# Altium PCB LimeSDR-USB_1v4.PcbDoc (part 5 of 10)
Units mm, origin at the board's own origin, x right, y up, seen from the top; angles counter-clockwise.
Board outline 100 x 60 mm, 12 copper layers (Top, L2, L3, L4, L5, L6, L7, L8, L9, L10, L11, Bottom), stack 1.58 mm thick; 858 components, 627 nets, 4063 pads, 2099 vias.
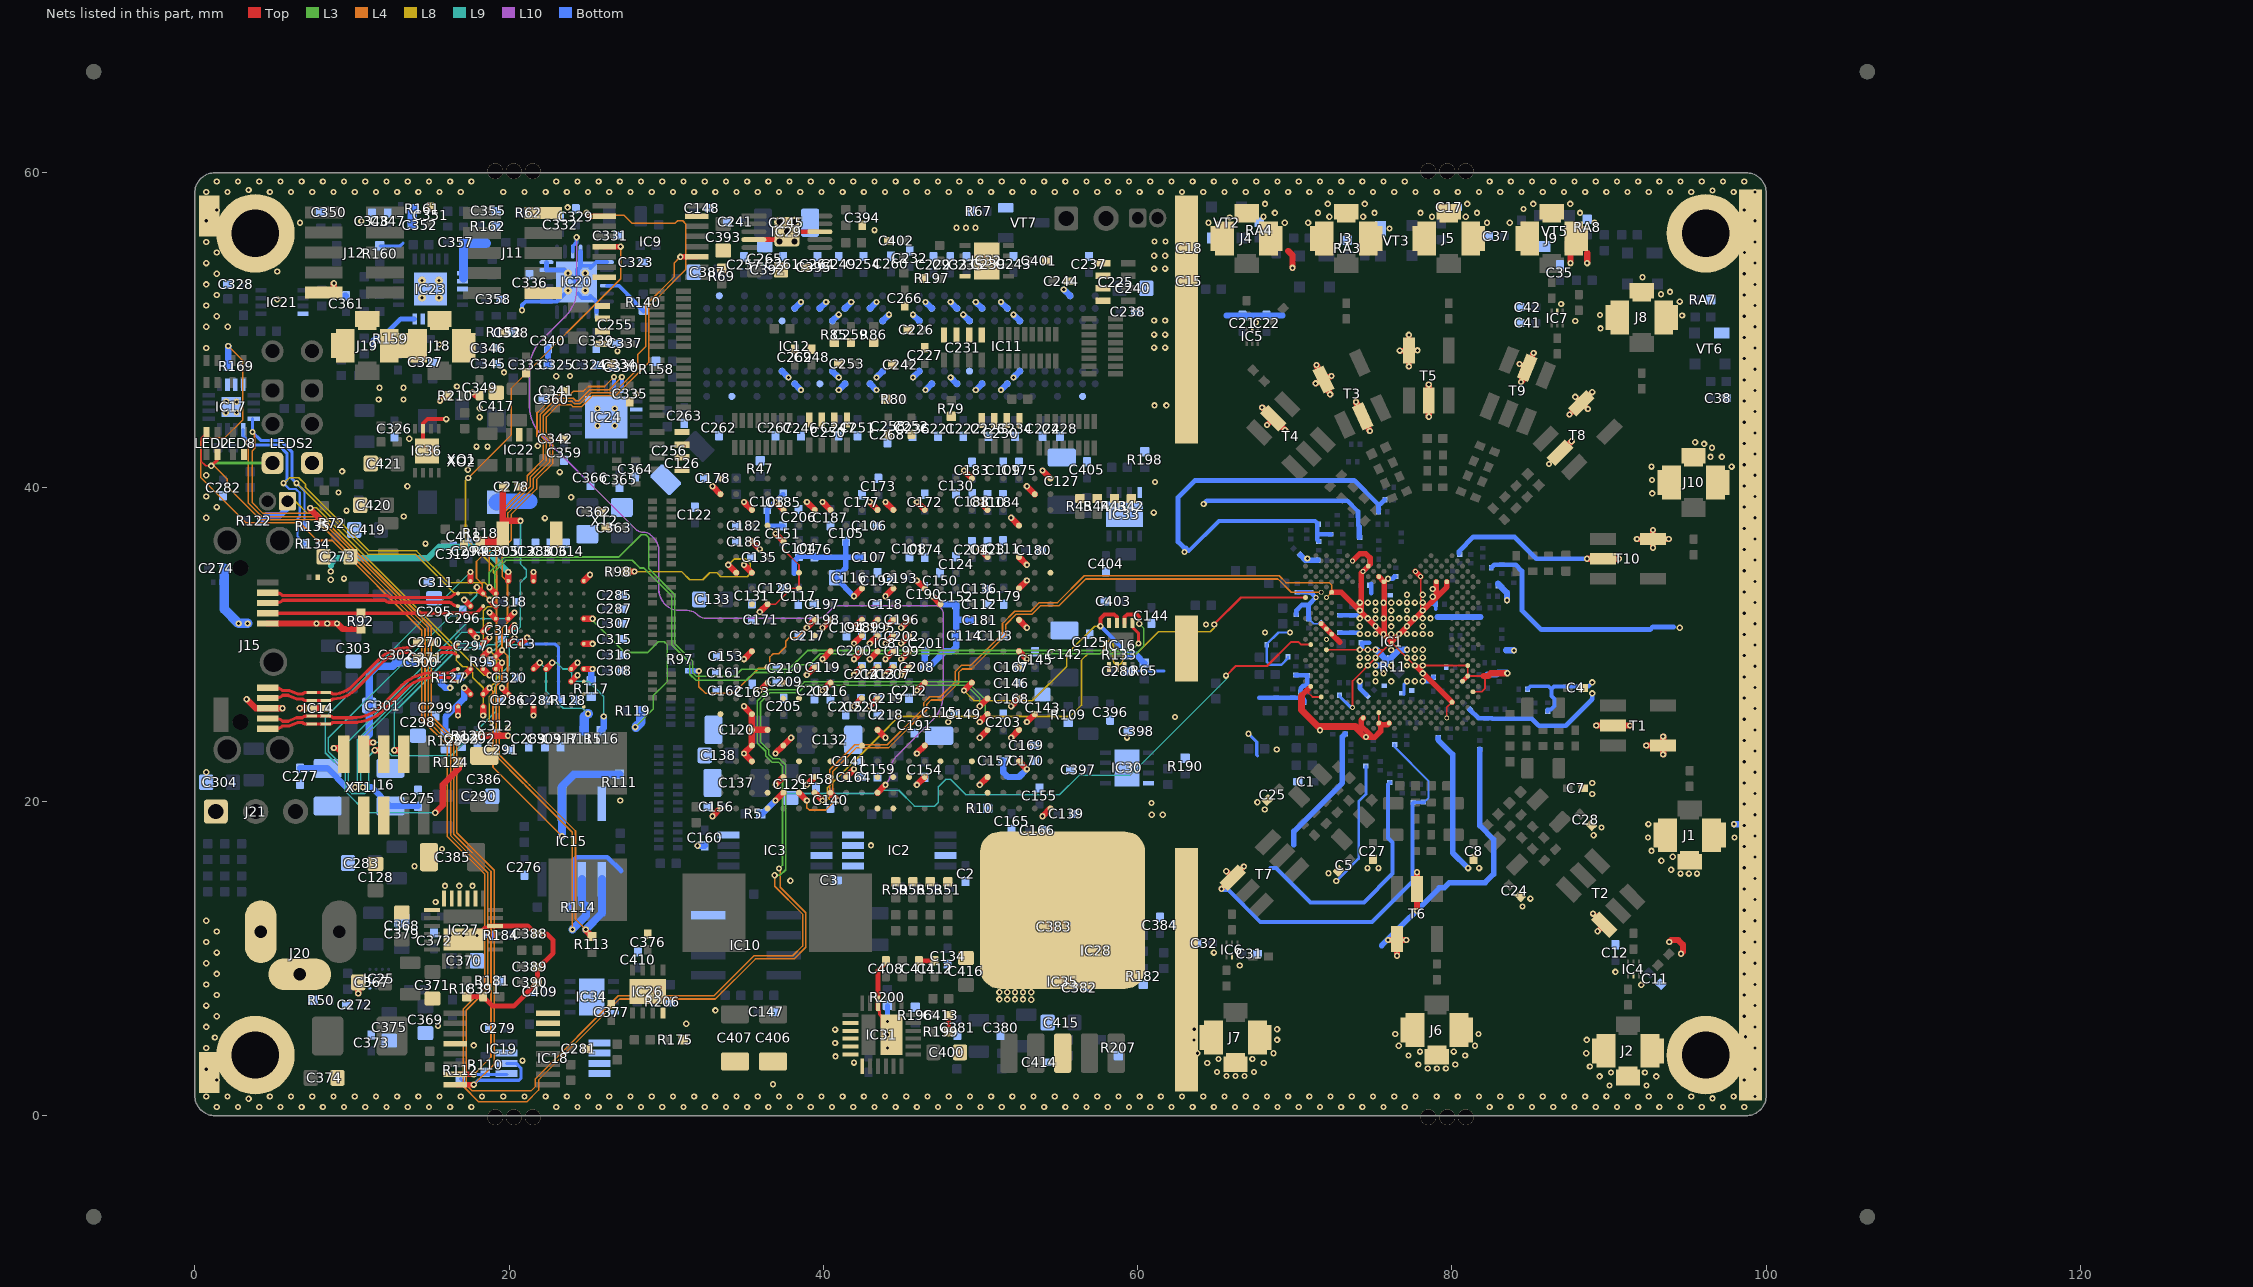
[diagram p15: the nets of this part, all layers, seen from the top]

## Via types
v1: diameter 0.4, hole 0.2, Top to Bottom, tented both sides, 1282 vias
v2: diameter 0.4, hole 0.2, Top to Bottom, tented top, 427 vias
v3: diameter 0.4, hole 0.2, Top to Bottom, 281 vias
v4: diameter 0.31, hole 0.2, Top to Bottom, tented top, 89 vias
v5: diameter 0.5, hole 0.2, Top to Bottom, tented both sides, 20 vias

## Nets (pads, with @x,y where several pads share a name; then routed paths per layer and width w, separated by ;. In a path a pad name is that pad's centre, name@x,y a point inside that pad or via, vN(x,y) a via of type N, cw(c..) or ccw(c..) an arc to the next point about the centre after c; other vN are vias at no path point) (continued)
FX3_DQ31: IC8.N16 R97.7 | length 11.5
  Top w0.4: v2(38.95,31.05) IC8.N16@39.45,31.55
  L4 w0.1: v1(32.075,28.3) 32.075,27.3 32.5,26.875 34.28,26.875 35.88,28.475 36.275,28.475 36.6,28.8 36.6,29.195 36.805,29.4 37.167,29.4 37.6,29.833 37.6,30.195 37.805,30.4 38.3,30.4 v2(38.95,31.05)
  Bottom w0.3: R97.7@31.5,28.3 v1(32.075,28.3)
FX3_FSLC0: IC13.B2 R125.2 | length 3.9
  Top w0.4: v2(17.15,27.225) IC13.B2@17.55,26.825
  Bottom w0.4: R125.2@15.95,24.35 15.95,25.366 16.543,25.959 16.559,25.959 17.15,26.55 v2(17.15,27.225)
FX3_FSLC1: IC13.B4 R127.2 | length 1.1
  Top w0.4: v2(17.15,28.025) IC13.B4@17.55,28.425
  Bottom w0.4: R127.2@16.646,27.875 17,27.875 v2(17.15,28.025)
FX3_FSLC2: IC13.E6 R128.2 | length 7
  Top w0.4: IC13.E6@19.95,30.025 v2(20.35,30.425)
  Bottom w0.2: v2(20.35,30.425) 20.75,30.025 22.916,30.025 23.15,29.791 23.15,26.525 R128.2@23.25,26.425
FX3_GND: C274.2 FR39.1 IC14.3 IC14.8 NT1.1 | length 5.6
  Top w0.4: v1(6.675,25.925) IC14.3@7.787,25.925
  Bottom w0.6: C274.2@1.875,34.85 1.875,33.675 1.875,32.237 v1(2.787,31.325) v1(3.362,31.325)
FX3_I2C_SCL: IC13.D9 IC16.2 IC17.12 IC18.6 IC19.8 IC24.4 R112.1 R135.2 | length 156.3
  Top w0.25: IC16.2@59.175,31.35 59.175,31.725 59.338,31.888 59.962,31.888 60.1,31.75 v1(60.1,31.3)
  Top w0.35: IC19.8@16.7,1.975 v1(17.75,1.975)
  Top w0.4: v2(18.75,32.825) IC13.D9@19.15,32.425
  L3 w0.1: v2(18.75,32.825) 19.1,33.175 19.1,34.65 19.8,35.35 27.83,35.35 28.33,34.85 28.567,34.85 30.35,33.067 30.35,29.967 31.5,28.817 31.5,28.097 31.897,27.7 35.1,27.7 35.6,28.2 37.888,28.2 38.388,28.7 39.095,28.7 39.795,29.4 59.9,29.4 60.4,29.9 60.4,31 v1(60.1,31.3)
  L4 w0.1: v1(3.675,43.5) 3.8,43.375 3.8,42.45 3.65,42.3 3.65,39.016 4.341,38.325 7.867,38.325 15.05,31.142 15.05,25.449 16.675,23.824 16.675,17.999 19.05,15.624 19.05,3.275 v1(17.75,1.975) ; v2(18.75,32.825) 18.3,33.275 18.3,33.825 17.925,34.2 17.925,35.269 19.525,36.869 19.525,38.516 20.459,39.45 20.476,39.45 21.15,40.124 21.15,40.725 22.175,41.75 22.175,42.8 21.775,43.2 21.775,44.745 21.812,44.745 22.917,45.85 23.85,45.85 24.1,46.1 24.725,46.1 25.025,46.4 26.075,46.4 v1(26.675,47)
  L8 w0.1: v1(6.475,40.25) 6.503,40.25 11.017,35.736 14.032,35.736 16.492,33.275 18.3,33.275 v2(18.75,32.825)
  Bottom w0.14: v1(6.475,40.25) 6.98,39.745 6.98,37.52 R135.2@7,37.5
  Bottom w0.2: IC17.12@3.675,44.35 v1(3.675,43.5) 4.2,42.975 4.8,42.975 5.447,42.975 6.175,42.247 6.175,40.55 v1(6.475,40.25) ; R112.1@16.9,2.375 17.3,1.975 v1(17.75,1.975) 18.025,2.25 20.633,2.25 20.75,2.367 20.75,3.034 20.459,3.325 IC18.6@19.85,3.325
  Bottom w0.25: IC24.4@26.675,46.375 v1(26.675,47)
FX3_I2C_SDA: IC13.D10 IC16.1 IC17.13 IC18.5 IC19.7 IC24.5 R110.1 R134.2 | length 151.8
  Top w0.2: IC16.1@59.675,31.35 59.675,31.083 60.05,30.708 v1(60.05,30.05)
  Top w0.35: IC19.7@16.7,2.625 v1(17.75,2.625)
  Top w0.4: v2(18.75,33.625) IC13.D10@19.15,33.225
  L3 w0.1: v2(18.75,33.625) 18.75,34.583 19.717,35.55 26.98,35.55 28.405,36.975 28.695,36.975 28.9,36.77 28.9,34.8 30.55,33.15 30.55,30.05 31.7,28.9 31.7,28.18 31.93,27.95 34.355,27.95 34.805,28.4 37.805,28.4 39.005,29.6 59.6,29.6 v1(60.05,30.05)
  L4 w0.1: v1(3.4,42.825) 3.4,38.983 4.258,38.125 7.784,38.125 14.85,31.059 14.85,25.366 16.475,23.741 16.475,17.916 18.85,15.541 18.85,3.725 v1(17.75,2.625) ; v2(18.75,33.625) 18.75,35.811 19.725,36.786 19.725,38.433 20.542,39.25 20.559,39.25 21.35,40.041 21.35,40.642 22.375,41.667 22.375,42.883 21.975,43.283 21.975,44.625 23,45.65 24.091,45.65 24.241,45.5 24.434,45.5 25.134,46.2 26.375,46.2 v1(27.175,47)
  L8 w0.1: v1@5.663,40.237 6.025,40.6 6.62,40.6 7.045,40.175 7.045,39.991 11.1,35.936 14.114,35.936 16.125,33.925 18.45,33.925 v2(18.75,33.625)
  Bottom w0.14: v1(5.65,40.25) 6.03,39.87 6.44,39.87 6.675,39.635 6.675,38.115 6.53,37.97 6.53,36.87 R134.2@7,36.4
  Bottom w0.2: IC17.13@3.075,43.675 3.075,43.225 3.625,42.675 5.323,42.675 5.875,42.123 5.875,40.475 v1(5.65,40.25) ; v1(17.75,2.625) IC18.5@19.85,2.625
  Bottom w0.25: IC24.5@27.175,46.375 v1(27.175,47)
FX3_INT: IC13.L8 R119.2 | length 13.9
  Top w0.4: IC13.L8@24.75,31.625 v2(25.316,31.625)
  L3 w0.1: v2(25.316,31.625) 25.316,31.519 27.36,29.475 28.825,29.475 29.5,30.15 29.87,30.15 30.075,29.945 30.075,27.63 29.175,26.73 29.175,25.875 v1(28.025,24.725)
  Bottom w0.6: v1@28.075,24.725 28.375,25.025 R119.2@28.375,25.775
FX3_JTAG_TCK: IC13.F6 J16.4 | length 16
  Top w0.4: J16.4@11.025,23.75 v1(11.35,23.75) ; IC13.F6@20.75,30.025 v2(21.15,30.425)
  L9 w0.1: v1(11.35,23.75) 11.7,23.75 12.475,22.975 12.48,22.975 12.555,22.9 16.325,22.9 19.15,25.725 19.15,27.775 20,28.625 20,29.77 20.205,29.975 20.7,29.975 v2(21.15,30.425)
FX3_JTAG_TDI: IC13.E7 J16.8 | length 13.6
  Top w0.4: v1(12.7,23.25) 13.05,23.25 J16.8@13.3,23 ; IC13.E7@19.95,30.825 v2(20.35,31.225)
  L9 w0.1: v1(12.7,23.25) 12.7,25.675 16.795,29.77 18.4,29.77 18.605,29.975 19.1,29.975 v2(20.35,31.225)
FX3_JTAG_TDO: IC13.C10 J16.6 | length 22.9
  Top w0.4: v1(11.45,23.25) 11.775,23.25 J16.6@12.025,23 ; v2(17.95,33.625) IC13.C10@18.35,33.225
  L9 w0.1: v1(11.45,23.25) 11.075,22.875 11.075,20.75 10.825,20.5 10,20.5 9.763,20.737 9.763,21.913 8.5,23.175 8.5,24.025 16.3,31.825 16.65,31.825 17.95,33.125 v2(17.95,33.625)
FX3_JTAG_TMS: IC13.E8 J16.2 | length 16.4
  Top w0.4: v1(8.85,23.4) 9.075,23.4 J16.2@9.475,23 ; IC13.E8@19.95,31.625 v2(20.35,32.025)
  L9 w0.1: v1(8.85,23.4) 9.347,23.4 17.572,31.625 19.95,31.625 v2(20.35,32.025)
FX3_JTAG_TRST: IC13.B11 R124.1 | length 29
  Top w0.4: v1(15.3,19.275) 15.775,19.75 15.775,21.05 16.8,22.075 R124.1@16.8,22.5 ; IC13.B11@17.55,34.025 v2(17.55,34.591)
  L9 w0.1: v1(15.3,19.275) 10.942,19.275 9.563,20.655 9.563,21.83 8.3,23.092 8.3,25.341 v2(17.55,34.591)
FX3_LED_G: IC8.G5 R169.1 | length 123
  Top w0.4: v2(49.95,25.05) IC8.G5@50.45,25.55
  L3 w0.1: v1(37.175,15.725) 37.4,15.95 37.4,22.242 37.142,22.5 36.722,22.5 36.328,22.895 36.328,23.188 35.8,23.715 35.8,26.385 36.517,27.102 38.294,27.102 38.792,27.6 49.178,27.6 50.3,26.478 50.3,25.4 v2(49.95,25.05)
  L4 w0.1: v1(2.125,48.975) 3.063,48.037 3.063,44.288 1.925,43.15 0.63,43.15 0.375,42.895 0.375,40.605 3.255,37.725 6.675,37.725 7.8,36.6 8.744,36.6 14.45,30.894 14.45,25.2 16.075,23.575 16.075,17.75 18.45,15.375 18.45,8.158 17.075,6.783 17.075,1.872 18.072,0.875 21.12,0.875 21.875,1.63 21.875,2.267 27.033,7.425 33.124,7.425 35.674,9.975 38.141,9.975 38.875,10.709 38.875,12.908 37.25,14.533 37.25,15.65 v1(37.175,15.725)
  Bottom w0.4: R169.1@2.125,47.7 v1(2.125,48.975)
FX3_LED_R: IC8.H5 LED2.2 LED2.3 LEDS2.K1 | length 117
  Top w0.1: LED2.2@0.75,43.475 0.4,43.125 0.4,41.65 0.7,41.35 v1(1.05,41.35)
  Top w0.15: LEDS2.K1@4.475,42 LEDS2.K1@4.95,41.525
  Top w0.2: v1(1.05,41.35) 1.45,41.75 LED2.3@1.45,42.075
  Top w0.4: v2(49.95,26.05) IC8.H5@50.45,26.55
  L3 w0.1: v1(36.9,15.3) 37.245,15.3 37.6,15.655 37.6,22.325 37.225,22.7 36.805,22.7 36.528,22.978 36.528,23.27 36,23.798 36,26.302 36.6,26.902 38.377,26.902 38.875,27.4 49.095,27.4 49.95,26.545 v2(49.95,26.05)
  L3 w0.2: v1(1.05,41.35) 1.225,41.525 LEDS2.K1@4.95,41.525
  L4 w0.1: v1(1.05,41.35) 1.22,41.35 2.075,40.495 2.075,40.025 4.175,37.925 7.701,37.925 14.65,30.976 14.65,25.283 16.275,23.658 16.275,17.833 18.65,15.458 18.65,8.075 17.275,6.7 17.275,1.955 17.655,1.575 21.395,1.575 21.675,1.855 21.675,2.35 26.95,7.625 33.041,7.625 35.591,10.175 38.058,10.175 38.675,10.792 38.675,12.825 36.9,14.6 v1(36.9,15.3)
FX3_OTG_ID: IC13.C9 J15.4 R92.2 | length 14.3
  Top w0.2: J15.4@4.212,31.975 17.9,31.975 IC13.C9@18.35,32.425
FX3_PCLK: IC8.T21 R98.1 | length 11.5
  Top w0.4: R98.1@27.45,34.625 v1(27.975,34.625) ; v1(33.95,35.05) IC8.T21@34.45,34.55
  L8 w0.1: v1(27.975,34.625) 30.975,34.625 31.5,34.1 32.325,34.1 32.775,34.55 33.225,34.55 33.475,34.3 35.15,34.3 35.35,34.5 35.35,35.145 35.07,35.425 34.325,35.425 v1(33.95,35.05)
FX3_PMODE0: IC13.G4 R115.2 | length 7
  Top w0.4: IC13.G4@21.55,28.425 v2(21.95,28.825)
  L9 w0.1: v2(21.95,28.825) 22.35,28.425 22.35,27.025 23.45,25.925 24.675,25.925 v1(25.025,25.575)
  Bottom w0.6: R115.2@24.775,24.5 24.775,25.375 24.975,25.575 v1(25.025,25.575)
FX3_PMODE1: IC13.H4 R116.2 | length 7.1
  Top w0.4: IC13.H4@22.35,28.425 v2(22.75,28.825)
  L9 w0.1: v2(22.75,28.825) 23.025,28.825 23.425,28.425 23.725,28.425 24,28.15 24,27.88 24.23,27.65 25.05,27.65 26.025,26.675 v2(26.025,25.4)
  Bottom w0.4: R116.2@25.85,24.5 26.025,24.675 v2(26.025,25.4)
FX3_PMODE2: IC13.L4 R117.2 | length 1.4
  Top w0.4: IC13.L4@24.75,28.425 v2(25.316,28.425)
  Bottom w0.4: R117.2@25.225,27.675 25.225,28.334 v2(25.316,28.425)
FX3_RST: C278.1 IC13.C5 R118.1 R120.2 SW1.2 | length 24.1
  Top w0.4: R120.2@17.925,24.175 v1(19.925,24.175) ; IC13.C5@18.35,29.225 v2(18.75,29.625) ; SW1.2@19.6,36.975 SW1.2@19.6,37.675 ; C278.1@19.675,40.05 19.6,39.975 SW1.2@19.6,37.675 ; v1(20.725,37.85) 19.775,37.85 SW1.2@19.6,37.675
  Top w0.6: R118.1@18.175,36.55 19.175,36.55
  L8 w0.1: v2(18.75,29.625) 19.2,29.175 19.2,28.625 19.375,28.45 19.375,27.55 19.1,27.275 19.1,27 18.75,26.65 18.75,25.058 19.633,24.175 v1(19.925,24.175)
  L9 w0.1: v2(18.75,29.625) 19.033,29.625 20.283,30.875 20.495,30.875 20.7,31.08 20.7,33.9 21.1,34.3 21.1,34.736 20.725,35.111 v1(20.725,37.85)
FX3_SPI_AS_SS: IC13.C4 R72.1 | length 17.7
  Top w0.4: v1(7.35,38.675) 7.35,38.6 R72.1@8.25,37.7 ; IC13.C4@18.35,28.425 v2(18.75,28.025)
  L8 w0.1: v1(7.35,38.675) 7.758,38.675 18.408,28.025 v2(18.75,28.025)
FX3_SPI_FLASH_SS: IC13.C1 J17.1 R122.1 | length 22.6
  Top w0.4: v2(18.35,25.459) IC13.C1@18.35,26.025
  L8 w0.1: J17.1@5.9,39.1 6.4,39.1 7.175,38.325 7.825,38.325 16.625,29.525 16.625,28.996 17.046,28.575 17.3,28.575 17.7,28.175 17.7,27.875 18.35,27.225 v2(18.35,25.459)
  Bottom w0.4: R122.1@4.25,37.85 4.6,38.2 5.425,38.2 5.9,38.675 J17.1@5.9,39.1
FX3_SPI_MISO: IC9.5 IC13.C2 IC15.2 R111.1 | length 54.2
  Top w0.35: IC9.5@26.05,55.3 v1(27.1,55.3)
  Top w0.4: IC13.C2@18.35,26.825 v2(18.75,27.225)
  L4 w0.1: v1(17.4,40.575) 20.15,43.325 20.15,46.3 27.1,53.25 v1(27.1,55.3) ; v2(18.75,27.225) 18.975,27 18.975,22.175 v1(23.365,17.785)
  L8 w0.1: v1(17.4,40.575) 17.225,40.4 17.225,36.73 19,34.955 19,34.567 19.2,34.367 19.2,32.658 18.917,32.375 18.605,32.375 18.35,32.12 18.35,29.525 19,28.875 19,28.45 19.175,28.275 19.175,27.65 v2(18.75,27.225)
  Bottom w0.5: v1(23.365,17.785) IC15.2@23.365,19.85 23.365,20.965 24.125,21.725 R111.1@27.025,21.725
FX3_SPI_MOSI: IC9.2 IC13.D5 IC15.5 R113.1 | length 67.6
  Top w0.35: v1(24.925,57.45) 25.125,57.25 IC9.2@26.05,57.25
  Top w0.4: IC13.D5@19.15,29.225 v2(19.55,29.625) ; v1(24.874,11.851) 24.874,11.801 R113.1@25.275,11.4
  L4 w0.1: 20.992,21.35 19.375,22.967 19.375,26.555 19.9,27.08 19.9,29.275 v2(19.55,29.625) 19.55,31.025 19.9,31.375 19.9,33.975 19.575,34.3 19.575,36.07 20.125,36.62 20.125,38.25 21.75,39.875 21.75,40.476 22.775,41.501 22.775,43.049 22.375,43.449 22.375,44.459 23.166,45.25 23.925,45.25 24.075,45.1 24.6,45.1 25.3,45.8 26.753,45.8 28.9,47.947 28.9,51.492 31.25,53.842 31.25,56.745 31.045,56.95 30.725,56.95 30.575,56.8 27.808,56.8 27.308,57.3 25.075,57.3 v1(24.925,57.45) ; 20.992,21.35 21.3,21.042 21.367,20.975 21.675,20.667 21.717,20.625 ; 21.717,20.625 24.225,18.117 24.225,12.5 v1(24.874,11.851)
  Bottom w0.5: v1(24.874,11.851) 25.905,12.881 IC15.5@25.905,15.05
FX3_SPI_SCLK: IC9.11 IC13.D4 IC15.6 R114.2 | length 57.5
  Top w0.35: v1(30.9,54.65) IC9.11@31.95,54.65
  Top w0.4: IC13.D4@19.15,28.425 v2(19.55,28.825)
  L4 w0.1: 21.284,20.775 21.1,20.959 20.91,21.15 19.175,22.884 19.175,27.35 19.55,27.725 v2(19.55,28.825) 19.2,29.175 19.2,35.978 19.925,36.703 19.925,38.35 20.625,39.05 20.642,39.05 21.55,39.958 21.55,40.559 22.575,41.584 22.575,42.966 22.175,43.366 22.175,44.542 23.083,45.45 24.008,45.45 24.158,45.3 24.517,45.3 25.217,46 26.67,46 28.2,47.53 28.2,48.45 28.7,48.95 28.7,51.575 30.5,53.375 30.5,54.25 v1(30.9,54.65) ; 21.285,20.775 21.475,20.585 ; 21.475,20.584 21.634,20.425 24.025,18.035 v1(24.025,11.85)
  Bottom w0.5: v1(24.025,11.85) 24.9,12.725 R114.2@24.9,13.275 24.635,13.54 IC15.6@24.635,15.05
FX3_USB_D_N: IC13.A10 J15.2 | length 12.3
  Top w0.2: J15.2@4.637,33.275 5.165,33.275 cw(c5.165,32.678) 5.587,33.1 12.169,33.1 cw(c12.169,32.844) 12.35,33.025 ccw(c12.471,33.146) 12.471,32.975 16.146,32.975 ccw(c16.146,33.285) 16.366,33.066 cw(c16.75,32.682) IC13.A10@16.75,33.225
FX3_USB_D_P: IC13.A9 J15.3 | length 12.3
  Top w0.2: J15.3@4.637,32.625 5.165,32.625 ccw(c5.165,33.222) 5.587,32.8 12.021,32.8 cw(c12.021,32.571) 12.183,32.733 ccw(c12.323,32.873) 12.323,32.675 16.146,32.675 cw(c16.146,32.365) 16.366,32.584 ccw(c16.75,32.968) IC13.A9@16.75,32.425
FX3_USB_SSRX_N: IC13.A4 IC14.4 IC14.7 J15.9 | length 13.3
  Top w0.2: J15.9@4.637,25.275 5.165,25.275 cw(c5.165,24.678) 5.587,25.1 5.95,25.1 6.475,25.325 6.837,25.325 cw(c7.079,25.084) 7.079,25.425 IC14.4@7.45,25.425 IC14.7@8.324,25.425 8.545,25.425 cw(c8.545,25.084) 8.786,25.325 10.073,25.325 ccw(c10.073,27.865) 11.869,26.069 13.143,27.343 cw(c15.151,25.335) 15.151,28.175 16.146,28.175 ccw(c16.146,28.485) 16.366,28.266 cw(c16.75,27.882) IC13.A4@16.75,28.425
FX3_USB_SSRX_P: IC13.A3 IC14.5 IC14.6 J15.10 | length 13.3
  Top w0.2: J15.10@4.637,24.625 5.165,24.625 ccw(c5.165,25.222) 5.587,24.8 6.012,24.8 6.537,25.025 6.837,25.025 ccw(c7.079,25.266) 7.079,24.925 IC14.6@8.324,24.925 8.545,24.925 ccw(c8.545,25.266) 8.786,25.025 10.073,25.025 ccw(c10.073,27.865) 12.081,25.857 13.355,27.131 cw(c15.151,25.335) 15.151,27.875 16.146,27.875 cw(c16.146,27.565) 16.366,27.784 ccw(c16.75,28.168) IC13.A3@16.75,27.625
FX3_USB_SSTX_IC_N: C270.2 IC13.A6 | length 1.8
  Top w0.2: C270.2@15.175,30.125 C270.2@15.331,29.969 ; C270.2@15.331,29.969 ccw(c15.8,30.439) 15.8,29.775 16.288,29.775 ccw(c16.288,30.287) 16.65,29.925 IC13.A6@16.75,30.025
FX3_USB_SSTX_IC_P: C271.1 IC13.A5 | length 1.8
  Top w0.2: C271.1@15.175,29.125 15.331,29.281 cw(c15.8,28.811) 15.8,29.475 16.288,29.475 cw(c16.288,28.963) 16.65,29.325 IC13.A5@16.75,29.225
FX3_USB_SSTX_N: C270.1 IC14.1 IC14.10 J15.6 | length 10.8
  Top w0.2: J15.6@4.637,27.225 5.165,27.225 cw(c5.165,26.628) 5.587,27.05 6.012,27.05 6.537,26.825 6.837,26.825 cw(c7.079,26.584) 7.079,26.925 IC14.1@7.45,26.925 IC14.10@8.324,26.925 8.545,26.925 cw(c8.545,26.584) 8.786,26.825 ccw(c8.786,28.549) 10.006,27.33 11.729,29.053 cw(c13.471,27.311) 13.471,29.775 ccw(c13.471,30.629) 14.075,30.025 C270.1@14.175,30.125
FX3_USB_SSTX_P: C271.2 IC14.2 IC14.9 J15.7 | length 10.8
  Top w0.2: J15.7@4.637,26.575 5.165,26.575 ccw(c5.165,27.172) 5.587,26.75 5.95,26.75 6.475,26.525 6.837,26.525 ccw(c7.079,26.766) 7.079,26.425 IC14.2@7.45,26.425 IC14.9@8.324,26.425 8.545,26.425 ccw(c8.545,26.766) 8.786,26.525 8.849,26.525 ccw(c8.849,28.398) 10.174,27.074 11.941,28.841 cw(c13.471,27.311) 13.471,29.475 cw(c13.471,28.621) 14.075,29.225 C271.2@14.175,29.125
FX3_VBUS: C273.2 FR38.2 IC13.E11 | length 13.1
  Top w0.4: IC13.E11@19.95,34.025 v2(19.95,34.591)
  L9 w0.4: 8.669,34.987 8.669,35.169 8.975,35.475 14.825,35.475 15.55,36.2 18.341,36.2 v2(19.95,34.591)
  other v1: 8.65,34.1 8.65,34.625
FX3_XTAL_N: C277.2 IC13.C7 XT1.3 | length 19.2
  Top w0.4: IC13.C7@18.35,30.825 v2(18.75,31.225)
  L9 w0.1: v1(10.2,20.9) 10.35,21.05 10.35,23.926 16.615,30.191 16.615,30.385 17.005,30.775 18.3,30.775 v2(18.75,31.225)
  Bottom w0.4: C277.2@6.7,22.1 XT1.3@8.45,22.1 9.65,20.9 v1(10.2,20.9)
FX3_XTAL_P: C275.2 IC13.C6 XT1.1 | length 18.5
  Top w0.4: IC13.C6@18.35,30.025 v2(18.75,30.425)
  L9 w0.1: v1(10.7,20.9) 10.55,21.05 10.55,23.844 16.756,30.05 18.375,30.05 v2(18.75,30.425)
  Bottom w0.4: v1(10.7,20.9) 11.25,20.9 XT1.1@12.45,19.7 C275.2@14.2,19.7
GND: C1.2 C2.2 C3.1 C4.1 C5.1 C7.1 C8.1 C11.1 C12.1 C15.2 C17.2 C18.2 C21.1 C22.1 C24.1 C25.1 C27.1 C28.1 C31.1 C32.1 C35.2 C37.2 C38.2 C41.1 C42.1 C44.2 C45.2 C46.2 C47.2 C48.2 C49.2 C50.2 C51.2 C52.2 C53.2 C54.2 C55.2 C56.2 C57.2 C58.2 C59.2 C60.2 C61.2 C62.2 C63.2 C64.2 C65.2 C66.2 C67.2 C68.2 C69.2 C70.2 C71.2 C72.2 C73.2 C74.2 C75.2 C76.2 C77.2 C78.2 C79.2 C80.1 C81.2 C82.2 C83.2 C84.2 C85.2 C86.2 C87.2 C88.2 C89.2 C90.2 C91.2 C92.2 C93.2 C94.2 C95.2 C96.2 C97.2 C98.2 C99.2 C100.2 C101.2 C102.2 C103.2 C104.2 C105.2 C106.2 C107.2 C108.2 C109.2 C110.2 C111.2 C112.2 C113.2 C114.2 C115.1 C116.1 C117.1 C118.2 C119.2 C120.1 C121.1 C122.1 C123.2 C124.2 C125.2 C126.1 C127.1 C128.1 C129.1 C130.1 C131.2 C132.1 C133.1 C134.1 C135.1 C136.2 C137.1 C138.1 C139.1 C140.1 C141.2 C142.1 C143.1 C144.1 C145.1 C146.2 C147.2 C148.2 C149.2 C150.2 C151.2 C152.2 C153.2 C154.2 C155.2 C156.2 C157.2 C158.2 C159.2 C160.2 C161.2 C162.2 C163.2 C164.2 C165.2 C166.2 C167.2 C168.2 C169.2 C170.2 C171.2 C172.2 C173.2 C174.2 C175.2 C176.2 C177.2 C178.2 C179.2 C180.2 C181.2 C182.2 C183.2 C184.2 C185.2 C186.2 C187.2 C188.2 C189.2 C190.2 C191.2 C192.2 C193.2 C194.2 C195.2 C196.2 C197.2 C198.2 C199.2 C200.2 C201.2 C202.2 C203.2 C204.2 C205.2 C206.2 C207.2 C208.2 C209.2 C210.2 C211.2 C212.2 C213.2 C214.2 C215.2 C216.2 C217.2 C218.2 C219.2 C220.2 C221.2 C222.2 C223.2 C224.2 C225.5 C225.6 C225.7 C225.8 C226.2 C227.2 C228.2 C229.2 C230.5 C230.6 C230.7 C230.8 C231.5 C231.6 C231.7 C231.8 C232.2 C233.2 C234.2 C235.2 C236.2 C237.2 C238.2 C239.2 C240.1 C241.1 C242.1 C243.2 C244.2 C245.1 C246.2 C247.2 C248.2 C249.2 C250.5 C250.6 C250.7 C250.8 C251.2 C252.2 C253.2 C254.2 C255.5 C255.6 C255.7 C255.8 C256.5 C256.6 C256.7 C256.8 C257.2 C258.2 C259.2 C260.2 C261.2 C262.2 C263.2 C264.2 C265.1 C266.1 C267.1 C268.2 C269.2 C272.2 C273.1 C275.1 C276.2 C277.1 C278.2 C279.2 C280.2 C281.2 C282.2 C283.1 C284.2 C285.2 C286.1 C287.1 C288.2 C289.1 C290.1 C291.2 C292.1 C293.2 C294.1 C295.1 C296.2 C297.1 C298.1 C299.2 C300.2 C301.1 C302.2 C303.1 C304.1 C305.2 C306.2 C307.2 C308.2 C309.2 C310.2 C311.2 C312.2 C313.1 C314.1 C315.1 C316.1 C317.1 C318.1 C319.1 C320.1 C323.1 C324.1 C325.1 C326.1 C327.1 C328.1 C329.1 C330.1 C331.1 C332.1 C333.1 C334.1 C335.1 C336.1 C337.1 C338.1 C339.1 C340.1 C341.1 C342.2 C345.1 C346.1 C347.2 C348.2 C349.2 C350.2 C351.1 C352.2 C355.1 C357.1 C358.2 C359.2 C360.2 C361.1 C362.1 C363.1 C364.2 C365.2 C366.2 C367.1 C368.1 C369.1 C370.1 C371.1 C372.2 C373.2 C374.1 C375.1 C376.1 C377.1 C379.1 C380.1 C381.2 C382.1 C383.1 C384.1 C385.1 C386.1 C387.1 C388.2 C389.2 C390.2 C391.2 C392.1 C393.1 C394.1 C395.2 C396.1 C397.1 C398.1 C400.1 C401.1 C402.1 C403.1 C404.1 C405.1 C406.1 C407.1 C408.2 C409.1 C410.1 C411.2 C412.2 C413.2 C414.1 C415.1 C416.1 C417.1 C418.1 C419.1 C420.1 C421.1 IC1.AA31 IC1.AF32 IC1.AG29 IC1.AJ7 IC1.AJ9 IC1.AJ19 IC1.AK12 IC1.AK20 IC1.AL13 IC1.AL23 IC1.AM22 IC1.AN25 IC1.B18 IC1.B20 IC1.C7 IC1.C23 IC1.D20 IC1.E25 IC1.F6 IC1.G31 IC1.GND IC1.H2 IC1.J33 IC1.K4 IC1.L3 IC1.N3 IC1.T30 IC1.V30 IC1.W29 IC1.Y30 IC2.1 IC2.2 IC2.3 IC2.4 IC2.7 IC3.4 IC3.7 IC4.2 IC5.2 IC6.2 IC7.2 IC8.A1 IC8.A11 IC8.A12 IC8.A19 IC8.A22 IC8.AA2 IC8.AA22 IC8.AB1 IC8.AB6 IC8.AB22 IC8.B5 IC8.B19 IC8.C5 IC8.C9 IC8.C10 IC8.C11 IC8.C12 IC8.C14 IC8.C15 IC8.C16 IC8.C18 IC8.D3 IC8.D6 IC8.D8 IC8.D15 IC8.D17 IC8.D20 IC8.E9 IC8.E13 IC8.E18 IC8.E20 IC8.F3 IC8.F5 IC8.F12 IC8.F19 IC8.F20 IC8.G2 IC8.G20 IC8.G22 IC8.H3 IC8.H12 IC8.H13 IC8.H17 IC8.H18 IC8.J9 IC8.J15 IC8.J18 IC8.J19 IC8.K3 IC8.K10 IC8.K11 IC8.K12 IC8.K13 IC8.K16 IC8.K19 IC8.L3 IC8.L10 IC8.L11 IC8.L12 IC8.L13 IC8.L15 IC8.L20 IC8.M10 IC8.M11 IC8.M12 IC8.M13 IC8.M16 IC8.N3 IC8.N10 IC8.N11 IC8.N12 IC8.N13 IC8.N15 IC8.P8 IC8.P19 IC8.P20 IC8.R3 IC8.R9 IC8.R11 IC8.R13 IC8.R17 IC8.T1 IC8.T17 IC8.T20 IC8.U3 IC8.U5 IC8.V18 IC8.V20 IC8.W3 IC8.W19 IC8.Y5 IC8.Y9 IC8.Y11 IC8.Y12 IC8.Y15 IC8.Y16 IC8.Y18 IC8.Y20 IC9.8 IC9.15 IC10.4 IC11.A3 IC11.A7 IC11.B2 IC11.B8 IC11.D2 IC11.D8 IC11.E3 IC11.E7 IC11.F2 IC11.F8 IC11.H2 IC11.H8 IC11.J3 IC11.J7 IC11.N1 IC11.P9 IC12.A3 IC12.A7 IC12.B2 IC12.B8 IC12.D2 IC12.D8 IC12.E3 IC12.E7 IC12.F2 IC12.F8 IC12.H2 IC12.H8 IC12.J3 IC12.J7 IC12.N1 IC12.P9 IC13.A1 IC13.A8 IC13.B7 IC13.B8 IC13.B9 IC13.D8 IC13.E2 IC13.G1 IC13.G11 IC13.K3 IC13.K4 IC13.L1 IC13.L2 IC13.L3 IC13.L6 IC13.L11 IC15.4 IC16.4 IC16.5 IC16.6 IC16.7 IC17.6 IC17.7 IC17.8 IC17.17 IC18.1 IC18.2 IC18.3 IC18.4 IC18.7 IC19.4 IC19.14 IC19.15 IC19.16 IC20.1 IC20.7 IC20.11 IC20.12 IC20.16 IC20.19 IC20.22 IC20.25 IC21.4 IC22.5 IC23.1 IC23.2 IC23.3 IC23.9 IC23.10 IC23.21 IC24.7 IC24.21 IC25.C2 IC25.D1 IC25.D2 IC25.D3 IC26.4 IC26.9 IC27.4 IC27.8 IC27.9 IC27.10 IC27.11 IC27.12 IC27.13 IC27.25 IC28.4 IC28.9 IC29.4 IC29.8 IC29.11 IC30.4 IC30.9 IC31.4 IC31.8 IC31.9 IC31.10 IC31.11 IC31.12 IC31.13 IC31.25 IC32.4 IC32.9 IC33.4 IC33.9 IC34.4 IC34.9 IC35.3 IC36.7 IC36.9 J1.2 J2.2 J3.2 J4.2 J5.2 J6.2 J7.2 J8.2 J9.2 J10.2 J11.2 J11.10 J12.9 J15.5 J15.8 J16.3 J16.5 J18.2 J19.2 J20.2 J20.3 J21.1 LED8.3 LEDS2.K2 MECH1.MH1 MECH2.MH1 MECH3.MH1 MECH4.MH1 NT1.2 pad.2 pad.3 pad.4 pad.5 pad.16 R10.1 R11.2 R42.2 R43.2 R44.2 R45.2 R47.1 R50.1 R51.2 R53.2 R56.2 R59.2 R62.2 R67.2 R69.2 R79.1 R80.1 R85.1 R86.1 R92.1 R93.1 R95.1 R109.1 R114.1 R117.1 R125.1 R127.1 R128.1 R140.1 R152.1 R158.2 R159.1 R160.2 R161.2 R162.1 R175.2 R181.2 R182.2 R183.2 R184.1 R190.1 R196.2 R197.2 R198.1 R199.2 R200.2 R206.2 R207.2 R210.1 RA3.1 RA4.1 RA7.1 RA8.1 SW1.1 T1.2 T1.6 T2.3 T3.2 T3.4 T4.2 T5.2 T5.4 T6.2 T6.6 T7.3 T8.2 T8.4 T9.2 T10.2 T10.4 VT2.1 VT3.1 VT5.1 VT6.1 VT7.S XO1.2 XO2.2 XT1.2 XT1.4 XT2.2 XT2.4 | length 511.8